# KiCad board BB3plus CM5 STM32H7 module.kicad_pcb (continued)
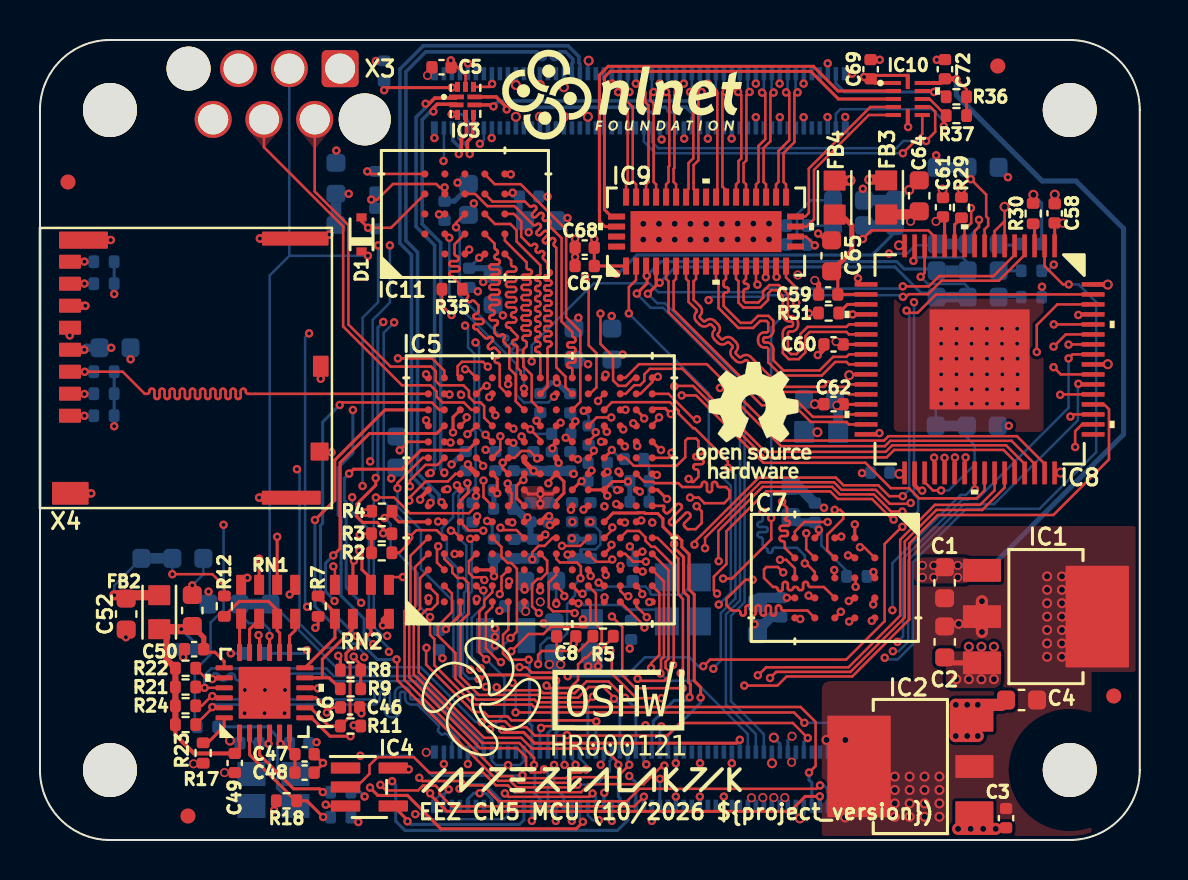
[diagram p0: board, top side]
## Routing (per net, layer and track width the routed paths; a pad name or vN(x,y) marks a point on that pad's centre or on a via; arc(x,y) is an arc through that point) (continued)
XSPI_M_P1_DQS1: length 17.6
  Top w0.127: IC7.B3 40.79,13.06 v1(40.79,12.66)
  Top w0.152: IC5.M11 28.07,19.91 v1(28.06,19.91)
  In2signal.Cu w0.127: v1(28.06,19.91) 28.17,19.81 28.17,19.3 28.51,18.96 29.49,18.96 29.61,18.84 29.75,18.84 29.97,18.63 31.07,18.63 31.16,18.53 32.64,18.53 33.7,17.47 34.15,17.47 35.83,15.78 35.83,15.78 37.39,14.22 37.39,13.73 38.14,12.98 39.25,12.98 arc(39.32,12.95) 39.35,12.88 39.35,12.83 arc(39.38,12.76) 39.46,12.73 39.51,12.73 arc(39.58,12.76) 39.61,12.83 39.61,12.88 arc(39.64,12.95) 39.71,12.98 39.76,12.98 arc(39.83,12.95) 39.86,12.88 39.86,12.83 arc(39.89,12.76) 39.96,12.73 40.01,12.73 arc(40.09,12.76) 40.12,12.83 40.12,12.88 arc(40.15,12.95) 40.22,12.98 40.45,12.98 40.77,12.66 v1(40.79,12.66)
XSPIM_P1_IO0: length 14.9
  Top w0.127: v1(38.25,13.83) 38.26,13.84 38.31,13.84 38.75,13.4 IC7.D3
  Top w0.152: v1(29.87,19.7) 29.82,19.75 IC5.P11
  In2signal.Cu w0.127: v1(36.14,16.41) 36.14,16.64 34.78,18 33.82,18 32.83,18.98 31.35,18.98 31.25,19.08 30.48,19.08 29.87,19.69 v1(29.87,19.7)
  Bottom w0.127: v1(38.25,13.83) 38.25,14.22 37.86,14.61 36.74,14.61 arc(36.67,14.58) 36.64,14.51 36.64,14.46 arc(36.61,14.39) 36.53,14.36 36.48,14.36 arc(36.41,14.39) 36.38,14.46 36.38,14.51 arc(36.35,14.58) 36.28,14.61 36.14,14.75 36.14,15.04 arc(36.11,15.11) 36.04,15.14 35.99,15.14 arc(35.92,15.17) 35.89,15.24 35.89,15.29 arc(35.92,15.37) 35.99,15.4 36.29,15.4 arc(36.37,15.43) 36.4,15.5 36.4,15.55 arc(36.37,15.62) 36.29,15.65 35.99,15.65 arc(35.92,15.68) 35.89,15.75 35.89,15.8 arc(35.92,15.87) 35.99,15.9 36.04,15.9 arc(36.11,15.93) 36.14,16.01 v1(36.14,16.41)
XSPIM_P1_IO1: length 16.2
  Top w0.127: v1(38.32,15.34) 38.32,14.53 IC7.D2
  Top w0.152: v1(29.17,20.53) 29.17,20.56 IC5.N12
  In2signal.Cu w0.127: v1(38.32,15.34) 38.36,15.38 38.36,16.76 37.88,17.24 37.71,17.24 37.38,17.57 arc(37.35,17.64) 37.38,17.71 37.42,17.75 arc(37.45,17.82) 37.42,17.89 37.38,17.93 arc(37.31,17.96) 37.24,17.93 37.2,17.89 arc(37.13,17.86) 37.06,17.89 37.02,17.93 arc(36.99,18) 37.02,18.07 37.06,18.11 arc(37.09,18.18) 37.06,18.25 37.02,18.29 arc(36.95,18.32) 36.88,18.29 36.84,18.25 arc(36.77,18.22) 36.7,18.25 36.66,18.29 arc(36.63,18.36) 36.66,18.43 36.7,18.47 arc(36.73,18.54) 36.7,18.61 36.66,18.65 arc(36.59,18.68) 36.52,18.65 36.48,18.61 arc(36.41,18.58) 36.34,18.61 36.3,18.65 arc(36.27,18.72) 36.3,18.79 36.34,18.83 arc(36.37,18.9) 36.34,18.97 36.3,19.01 arc(36.23,19.04) 36.16,19.01 36.12,18.97 arc(36.05,18.94) 35.98,18.97 35.94,19.01 arc(35.91,19.08) 35.94,19.15 35.98,19.19 arc(36.01,19.26) 35.98,19.33 35.94,19.37 arc(35.87,19.4) 35.8,19.37 35.76,19.33 arc(35.69,19.3) 35.62,19.33 35.58,19.37 arc(35.55,19.44) 35.58,19.51 35.62,19.55 arc(35.65,19.62) 35.62,19.69 35.58,19.72 arc(35.51,19.75) 35.44,19.72 35.4,19.69 arc(35.33,19.66) 35.26,19.69 35.05,19.9 34.88,19.9 arc(34.8,19.93) 34.77,20.01 34.77,20.06 arc(34.75,20.13) 34.67,20.16 34.62,20.16 arc(34.55,20.13) 34.52,20.06 34.52,20.01 arc(34.49,19.93) 34.42,19.9 34.27,20.05 32.3,20.05 32.11,20.24 30.2,20.24 30.07,20.37 29.33,20.37 v1(29.17,20.53)
XSPIM_P1_IO2: length 17.9
  Top w0.127: IC7.C4 39.2,12.65 38.52,12.65 arc(38.45,12.68) 38.42,12.75 38.42,12.8 arc(38.39,12.87) 38.31,12.9 38.26,12.9 arc(38.19,12.87) 38.16,12.8 38.16,12.57 arc(38.14,12.52) 38.08,12.5 37.98,12.5 arc(37.93,12.52) 37.91,12.57 arc(37.89,12.63) 37.83,12.65 37.73,12.65 arc(37.68,12.63) 37.65,12.57 arc(37.63,12.52) 37.58,12.5 37.48,12.5 arc(37.42,12.52) 37.4,12.57 37.4,12.8 arc(37.37,12.87) 37.3,12.9 37.25,12.9 arc(37.18,12.87) 37.15,12.8 37.15,12.55 arc(37.12,12.48) 37.04,12.45 36.99,12.45 arc(36.92,12.48) 36.89,12.55 arc(36.86,12.62) 36.79,12.65 36.66,12.65 36.21,13.1 36.21,13.53 36.33,13.65 36.9,13.65 v1(37.17,13.38)
  Top w0.152: v1(28.93,18.42) 28.97,18.42 29.02,18.38 IC5.N9
  In2signal.Cu w0.127: v1(28.93,18.42) 28.95,18.4 29.79,18.4 30.54,17.66 31.92,17.66 32.05,17.53 32.91,17.53 33.48,16.96 33.94,16.96 36.46,14.44 36.46,13.92 37.08,13.3 37.09,13.3 v1(37.17,13.38)
XSPIM_P1_IO3: length 17.4
  Top w0.127: IC5.P9 30.22,17.91 30.66,17.91 30.72,17.84 31.93,17.84 32.12,17.65 33,17.65 arc(33.07,17.68) 33.1,17.75 33.1,17.8 arc(33.13,17.87) 33.2,17.9 33.25,17.9 arc(33.33,17.87) 33.36,17.8 33.36,17.5 arc(33.39,17.43) 33.46,17.4 33.51,17.4 arc(33.58,17.43) 33.61,17.5 33.61,17.8 arc(33.64,17.87) 33.71,17.9 33.76,17.9 arc(33.83,17.87) 33.86,17.8 33.86,17.75 arc(33.89,17.68) 33.97,17.65 34.31,17.65 34.48,17.48 34.48,17.11 34.21,16.84 33.22,16.84 33.22,16.85 32.95,17.12 v1(32.51,17.12)
  Top w0.152: v1(38.44,12.22) 38.56,12.11 IC7.D4
  In2signal.Cu w0.127: v1(32.51,17.12) 32.96,17.12 33.38,16.71 33.83,16.71 36.2,14.33 36.2,13.75 37.07,12.88 37.53,12.88 38.22,12.18 38.36,12.18
  In2signal.Cu w0.152: 38.36,12.18 38.4,12.18 v1(38.44,12.22)
XSPIM_P1_IO4: length 17.3
  Top w0.127: IC7.D5 38.38,11.47 37.16,11.47 arc(37.09,11.5) 37.06,11.58 37.06,11.63 arc(37.03,11.7) 36.96,11.73 36.91,11.73 arc(36.84,11.7) 36.81,11.63 36.81,11.32 arc(36.78,11.25) 36.71,11.22 36.66,11.22 arc(36.58,11.25) 36.55,11.32 36.55,11.63 arc(36.52,11.7) 36.45,11.73 36.4,11.73 arc(36.33,11.7) 36.3,11.63 36.3,11.32 arc(36.27,11.25) 36.2,11.22 36.15,11.22 arc(36.08,11.25) 36.05,11.32 36.05,11.63 arc(36.02,11.7) 35.95,11.73 35.89,11.73 arc(35.82,11.7) 35.79,11.63 35.79,11.32 arc(35.76,11.25) 35.69,11.22 35.64,11.22 arc(35.57,11.25) 35.54,11.32 35.54,11.63 arc(35.51,11.7) 35.44,11.73 35.39,11.73 arc(35.31,11.7) 35.28,11.63 35.28,11.32 arc(35.25,11.25) 35.18,11.22 35.13,11.22 arc(35.06,11.25) 35.03,11.32 35.03,11.37 arc(35,11.44) 34.93,11.47 34.6,11.47 34.33,11.74 34.33,12.06 35.28,13.01 v1(35.64,13.01)
  Top w0.152: IC5.R8 30.89,17.51 31.35,17.05 v1(31.36,17.05)
  In2signal.Cu w0.127: v1(31.36,17.05) 31.36,17.04 32.46,15.94 33.48,15.94 35.44,13.99 35.44,13.21 v1(35.64,13.01)
XSPIM_P1_IO5: length 17
  Top w0.127: IC5.N10 29.3,19.11 29.69,18.71 31.84,18.71 32.27,19.14 32.27,19.96 32.39,20.08 32.8,20.08 32.93,19.95 32.93,19.65 arc(32.96,19.58) 33.03,19.55 33.08,19.55 arc(33.15,19.52) 33.18,19.45 33.18,19.4 arc(33.15,19.33) 33.08,19.3 32.78,19.3 arc(32.71,19.27) 32.68,19.2 32.68,19.15 arc(32.71,19.07) 32.78,19.04 33.08,19.04 arc(33.15,19.01) 33.18,18.94 33.18,18.89 arc(33.15,18.82) 33.08,18.79 32.78,18.79 arc(32.71,18.76) 32.68,18.69 32.68,18.64 arc(32.71,18.57) 32.78,18.54 32.83,18.54 arc(32.9,18.51) 32.93,18.43 32.93,18.16 32.67,17.9 32.59,17.9 v1(32.44,18.05) ; v1(37.01,14.01) 37.32,14.01 37.75,13.58 IC7.E3
  In2signal.Cu w0.127: v1(37.01,14.01) 37.01,14.25 34.04,17.22 33.63,17.22 32.79,18.05 v1(32.44,18.05)
XSPIM_P1_IO6: length 17.3
  Top w0.127: v1(37.11,16.92) 37.11,16.86 37.36,16.61 37.36,16.18 37.25,16.06 arc(37.28,15.99) 37.35,15.96 37.4,15.96 arc(37.47,15.93) 37.5,15.86 37.5,15.81 arc(37.47,15.74) 37.4,15.71 37.1,15.71 arc(37.03,15.68) 37,15.61 37,15.56 arc(37.03,15.49) 37.1,15.46 37.33,15.46 arc(37.38,15.43) 37.4,15.38 37.4,15.28 arc(37.38,15.22) 37.33,15.2 37.1,15.2 arc(37.03,15.17) 37,15.1 37,15.05 arc(37.03,14.98) 37.1,14.95 37.15,14.95 arc(37.22,14.92) 37.25,14.85 37.25,14.61 IC7.E2
  Top w0.152: v1(31.06,19.5) 31.03,19.5 IC5.R11
  In2signal.Cu w0.127: v1(37.11,16.92) 37.1,16.93 37.1,16.98 37.04,17.05 36.83,17.05 36.8,17.07 arc(36.77,17.14) 36.8,17.21 36.84,17.25 arc(36.87,17.32) 36.84,17.39 36.8,17.43 arc(36.73,17.46) 36.66,17.43 36.44,17.21 arc(36.37,17.18) 36.3,17.21 36.26,17.25 arc(36.23,17.32) 36.26,17.39 36.48,17.61 arc(36.51,17.68) 36.48,17.75 36.44,17.79 arc(36.37,17.82) 36.3,17.79 36.08,17.57 arc(36.01,17.54) 35.94,17.57 35.9,17.61 arc(35.87,17.68) 35.9,17.75 36.12,17.97 arc(36.15,18.04) 36.12,18.11 36.08,18.15 arc(36.01,18.18) 35.94,18.15 35.72,17.93 arc(35.65,17.9) 35.58,17.93 35.54,17.97 arc(35.51,18.04) 35.54,18.11 35.76,18.33 arc(35.79,18.4) 35.76,18.47 35.72,18.51 arc(35.65,18.54) 35.58,18.51 35.36,18.29 arc(35.29,18.26) 35.22,18.29 35.18,18.33 arc(35.15,18.4) 35.18,18.47 35.4,18.69 arc(35.43,18.76) 35.4,18.83 35.36,18.87 arc(35.29,18.9) 35.22,18.87 35,18.65 arc(34.93,18.62) 34.86,18.65 34.82,18.69 arc(34.79,18.76) 34.82,18.83 34.86,18.87 arc(34.89,18.94) 34.86,19.01 34.66,19.21 34.36,19.21 arc(34.28,19.24) 34.25,19.31 arc(34.22,19.38) 34.15,19.41 34.1,19.41 arc(34.03,19.38) 34,19.31 34,19.06 arc(33.97,18.99) 33.9,18.96 33.85,18.96 arc(33.78,18.99) 33.75,19.06 33.75,19.11 arc(33.72,19.18) 33.64,19.21 33.33,19.21 33,19.54 31.98,19.54 31.78,19.73 31.29,19.73 v1(31.06,19.5)
XSPIM_P1_IO7: length 18.7
  Top w0.127: IC7.E1 37.75,15.42 38.23,15.9 v1(39.39,15.9)
  Top w0.152: v1(29.67,20.84) 29.8,20.71 IC5.P12
  In2signal.Cu w0.127: v1(29.67,20.84) 29.85,20.65 30.12,20.65 30.27,20.5 32.22,20.5 32.41,20.31 33.88,20.31 34.09,20.52 35.2,20.52 35.34,20.38 arc(35.37,20.31) 35.34,20.24 arc(35.31,20.16) 35.34,20.09 35.38,20.06 arc(35.45,20.03) 35.52,20.06 35.7,20.24 arc(35.77,20.27) 35.84,20.24 35.88,20.2 arc(35.91,20.13) 35.88,20.06 35.84,20.02 arc(35.81,19.95) 35.84,19.88 35.88,19.84 arc(35.95,19.81) 36.02,19.84 36.06,19.88 arc(36.13,19.91) 36.2,19.88 36.24,19.84 arc(36.27,19.77) 36.24,19.7 36.2,19.66 arc(36.17,19.59) 36.2,19.52 36.24,19.48 arc(36.31,19.45) 36.38,19.48 36.42,19.52 arc(36.49,19.55) 36.56,19.52 36.6,19.48 arc(36.63,19.41) 36.6,19.34 36.56,19.3 arc(36.53,19.23) 36.56,19.16 36.6,19.12 arc(36.67,19.09) 36.74,19.12 36.78,19.16 arc(36.85,19.19) 36.92,19.16 36.96,19.12 arc(36.99,19.05) 36.96,18.98 36.92,18.94 arc(36.89,18.87) 36.92,18.8 36.96,18.76 arc(37.03,18.73) 37.1,18.76 37.14,18.8 arc(37.21,18.83) 37.28,18.8 37.32,18.76 arc(37.35,18.69) 37.32,18.62 37.28,18.58 arc(37.25,18.51) 37.28,18.44 37.32,18.4 arc(37.39,18.37) 37.46,18.4 37.5,18.44 arc(37.57,18.47) 37.64,18.44 37.67,18.4 arc(37.7,18.33) 37.67,18.26 37.64,18.22 arc(37.61,18.15) 37.64,18.08 37.67,18.05 arc(37.75,18.02) 37.82,18.05 37.85,18.08 arc(37.93,18.11) 38,18.08 38.03,18.05 arc(38.06,17.97) 38.03,17.9 37.82,17.69 arc(37.79,17.61) 37.82,17.54 37.85,17.51 arc(37.93,17.48) 38,17.51 38.21,17.72 arc(38.29,17.75) 38.36,17.72 38.39,17.69 arc(38.42,17.61) 38.39,17.54 38.23,17.38 arc(38.21,17.33) 38.23,17.27 38.3,17.2 arc(38.36,17.18) 38.41,17.2 38.57,17.36 arc(38.64,17.39) 38.72,17.36 38.75,17.33 arc(38.78,17.25) 38.75,17.18 38.72,17.15 arc(38.69,17.08) 38.72,17 38.83,16.89 38.83,16.46 v1(39.39,15.9)
XSPIM_P1_IO8: length 17
  Top w0.127: IC7.C2 39.37,14.48 39.37,15.26 40.17,16.06 40.17,16.36 40.02,16.51 v1(39.74,16.51)
  Top w0.152: IC5.P13 30.21,21.11 v1(30.21,21.08)
  In2signal.Cu w0.127: v1(39.74,16.51) 39.74,16.64 39.37,17.02 39.34,17.02 39.05,17.3 39.05,17.39 38.94,17.5 arc(38.91,17.57) 38.94,17.64 arc(38.97,17.72) 38.94,17.79 38.9,17.82 arc(38.83,17.85) 38.76,17.82 arc(38.69,17.79) 38.62,17.82 38.58,17.86 arc(38.55,17.93) 38.58,18 38.58,18 arc(38.61,18.08) 38.58,18.15 38.55,18.18 arc(38.47,18.21) 38.4,18.18 38.4,18.18 arc(38.33,18.15) 38.26,18.18 38.22,18.22 arc(38.19,18.29) 38.22,18.36 arc(38.25,18.43) 38.22,18.51 38.19,18.54 arc(38.11,18.57) 38.04,18.54 arc(37.97,18.51) 37.9,18.54 37.86,18.58 arc(37.83,18.65) 37.86,18.72 arc(37.89,18.79) 37.86,18.87 37.83,18.9 arc(37.76,18.93) 37.68,18.9 37.68,18.9 arc(37.61,18.87) 37.54,18.9 37.5,18.94 arc(37.47,19.01) 37.5,19.08 37.5,19.08 arc(37.53,19.15) 37.5,19.22 37.47,19.26 arc(37.4,19.29) 37.32,19.26 arc(37.25,19.23) 37.18,19.26 35.45,20.99 34.15,20.99 33.72,20.56 32.51,20.56 32.32,20.75 30.54,20.75 v1(30.21,21.08)
  In2signal.Cu w0.152: v1(30.21,21.08) 30.21,21.2 30.23,21.21
XSPIM_P1_IO9: length 17.1
  Top w0.127: IC5.R14 31.43,22.31 32.71,21.03 v1(32.86,21.03)
  Top w0.152: IC7.B1 v1(40.75,15.78)
  In2signal.Cu w0.127: v1(40.75,15.78) 40.75,16.39 37.5,19.64 arc(37.43,19.67) 37.36,19.64 37.36,19.64 arc(37.28,19.61) 37.21,19.64 37.18,19.67 arc(37.15,19.75) 37.18,19.82 37.36,20 arc(37.39,20.07) 37.36,20.14 37.32,20.18 arc(37.25,20.21) 37.18,20.18 37,20 arc(36.93,19.97) 36.85,20 36.82,20.03 arc(36.79,20.11) 36.82,20.18 37,20.36 arc(37.03,20.43) 37,20.5 36.96,20.54 arc(36.89,20.57) 36.82,20.54 36.64,20.36 arc(36.57,20.33) 36.49,20.36 36.46,20.39 arc(36.43,20.47) 36.46,20.54 36.64,20.72 arc(36.67,20.79) 36.64,20.86 36.6,20.9 arc(36.53,20.93) 36.46,20.9 36.28,20.72 arc(36.21,20.69) 36.13,20.72 36.1,20.75 arc(36.07,20.82) 36.1,20.9 36.28,21.08 arc(36.31,21.15) 36.28,21.22 36.24,21.26 arc(36.17,21.29) 36.1,21.26 36.06,21.22 arc(35.99,21.19) 35.92,21.22 35.78,21.36 33.78,21.36 33.63,21.51 33.33,21.51 v1(32.86,21.03)
XSPIM_P1_IO10: length 17.6
  Top w0.127: IC7.A2 41.21,14.64 v1(41.01,14.64)
  Top w0.152: v1(28.35,20.41) 28.26,20.41 28.22,20.46 IC5.M12
  In2signal.Cu w0.127: v1(28.35,20.41) 28.65,20.11 30,20.11 30.12,19.99 32.01,19.99 32.2,19.8 33.46,19.8 33.61,19.65 34.94,19.65 37.57,17.02 37.79,17.02 38.11,16.69 38.11,16.25 37.86,16.01 37.86,15.24 38.4,14.7 40.95,14.7 v1(41.01,14.64)
XSPIM_P1_IO11: length 17.4
  Top w0.152: v1(41.67,11.78) 41.67,12.02 IC7.A4 ; v1(30.07,15.97) 30,15.91 IC5.P6
  In2signal.Cu w0.127: 35.71,11.75 34.85,12.61 34.85,13.88 33.3,15.44 32.26,15.44 32.06,15.64 31.37,15.64 31.22,15.49 30.46,15.49 30.07,15.88 v1(30.07,15.97) ; 35.71,11.74 37.27,10.19 38.77,10.19 39.01,10.43 arc(39.08,10.4) 39.11,10.33 39.11,10.28 arc(39.14,10.21) 39.21,10.18 39.26,10.18 arc(39.34,10.21) 39.37,10.28 39.37,10.33 arc(39.4,10.4) 39.47,10.43 39.52,10.43 arc(39.59,10.4) 39.62,10.33 39.62,10.28 arc(39.65,10.21) 39.72,10.18 39.77,10.18 arc(39.84,10.21) 39.87,10.28 39.87,10.33 arc(39.9,10.4) 39.98,10.43 40.03,10.43 arc(40.1,10.4) 40.13,10.33 40.13,10.28 arc(40.16,10.21) 40.23,10.18 40.28,10.18 arc(40.35,10.21) 40.38,10.28 40.38,10.33 arc(40.41,10.4) 40.48,10.43 40.64,10.43 41.11,10.9 41.11,11.08 41.67,11.63 v1(41.67,11.78)
XSPIM_P1_IO12: length 18
  Top w0.152: v1(41.6,10.96) 41.75,11.11 IC7.A5 ; IC5.N6 29.15,15.91 29.18,15.88 v1(29.25,15.88)
  In2signal.Cu w0.127: v1(29.25,15.88) 29.25,15.81 29.55,15.81 29.75,15.6 30.02,15.6 30.37,15.25 31.3,15.25 31.46,15.41 31.96,15.41 32.19,15.18 33.23,15.18 34.62,13.79 34.62,12.44 36.01,11.06 36.01,11.06 36.38,10.69 arc(36.41,10.62) 36.38,10.54 36.34,10.51 arc(36.31,10.44) 36.34,10.36 36.38,10.33 arc(36.45,10.3) 36.52,10.33 36.56,10.36 arc(36.63,10.39) 36.7,10.36 36.74,10.33 arc(36.77,10.26) 36.74,10.18 36.7,10.15 arc(36.67,10.08) 36.7,10 36.74,9.97 arc(36.81,9.94) 36.88,9.97 36.92,10 arc(36.99,10.03) 37.06,10 37.16,9.9 40.54,9.9 40.76,10.12 arc(40.83,10.15) 40.9,10.12 40.94,10.08 arc(41.01,10.05) 41.08,10.08 41.12,10.12 arc(41.15,10.19) 41.12,10.26 41.08,10.3 arc(41.05,10.37) 41.08,10.44 41.12,10.48 arc(41.19,10.51) 41.26,10.48 41.3,10.44 arc(41.37,10.41) 41.44,10.44 41.48,10.48 arc(41.51,10.55) 41.48,10.62 41.44,10.66 arc(41.41,10.73) 41.44,10.8 v1(41.6,10.96)
XSPIM_P1_IO13: length 17.7
  Top w0.127: IC5.R7 31.2,16.71 arc(31.23,16.64) 31.2,16.58 arc(31.18,16.51) 31.2,16.45 31.29,16.36 arc(31.36,16.33) 31.42,16.36 31.85,16.78 arc(31.94,16.82) 32.02,16.78 32.07,16.74 arc(32.1,16.65) 32.07,16.56 31.49,15.98 arc(31.45,15.9) 31.49,15.81 31.53,15.76 arc(31.62,15.73) 31.71,15.76 32.29,16.35 arc(32.38,16.38) 32.46,16.35 32.51,16.3 arc(32.54,16.21) 32.51,16.13 32.23,15.85 arc(32.2,15.76) 32.23,15.68 32.37,15.54 32.79,15.54 33.09,15.84 33.09,16.44 v1(32.84,16.69)
  Top w0.152: v1(40.45,11.95) 40.59,11.95 IC7.B4
  In2signal.Cu w0.127: v1(32.84,16.69) 33.08,16.45 33.7,16.45 35.95,14.2 35.95,13.63 36.99,12.6 37.45,12.6 38.23,11.81 40.31,11.81 v1(40.45,11.95)
XSPIM_P1_IO14: length 17.7
  Top w0.152: v1(28.82,16.8) 28.93,16.8 IC5.N7
  In2signal.Cu w0.127: v1(40.47,10.92) 40.37,10.83 39.02,10.83 38.63,10.44 38.39,10.44 arc(38.32,10.47) 38.29,10.54 arc(38.26,10.62) 38.19,10.65 38.14,10.65 arc(38.07,10.62) 38.04,10.54 arc(38.01,10.47) 37.94,10.44 37.89,10.44 arc(37.81,10.47) 37.78,10.54 37.78,10.59 arc(37.75,10.67) 37.68,10.7 37.63,10.7 arc(37.56,10.67) 37.53,10.59 37.53,10.54 arc(37.5,10.47) 37.43,10.44 37.35,10.52 37.34,10.52 37.11,10.75 arc(37.08,10.82) 37.11,10.89 37.15,10.93 arc(37.18,11) 37.15,11.07 37.11,11.11 arc(37.04,11.14) 36.97,11.11 36.93,11.07 arc(36.86,11.04) 36.79,11.07 36.75,11.11 arc(36.72,11.18) 36.75,11.25 36.79,11.29 arc(36.82,11.36) 36.79,11.43 36.75,11.47 arc(36.68,11.5) 36.61,11.47 36.57,11.43 arc(36.5,11.4) 36.43,11.43 36.4,11.47 arc(36.37,11.54) 36.4,11.61 36.43,11.65 arc(36.46,11.72) 36.43,11.79 36.4,11.83 arc(36.32,11.86) 36.25,11.83 36.22,11.79 arc(36.14,11.76) 36.07,11.79 36.04,11.83 arc(36.01,11.9) 36.04,11.97 36.07,12.01 arc(36.1,12.08) 36.07,12.15 36.04,12.19 arc(35.96,12.22) 35.89,12.19 35.86,12.15 arc(35.78,12.12) 35.71,12.15 35.68,12.19 arc(35.65,12.26) 35.68,12.33 35.71,12.37 arc(35.74,12.44) 35.71,12.51 35.68,12.55 arc(35.61,12.58) 35.53,12.55 35.5,12.51 arc(35.43,12.48) 35.35,12.51 35.19,12.68 35.19,13.28 35.18,13.28 35.18,13.88 33.4,15.66 33.39,15.66 33.37,15.69 32.34,15.69 31.68,16.35 29.53,16.35 29.08,16.8 v1(28.82,16.8)
XSPIM_P1_IO15: length 15.7
  Top w0.152: IC5.P8 29.84,17.49 29.98,17.49 30,17.47 v1(30,17.42) ; IC7.C5 40.05,11.41 v1(40.05,11.41)
  In2signal.Cu w0.127: v1(40.05,11.41) 39.99,11.35 39.51,11.35 arc(39.44,11.38) 39.41,11.45 arc(39.38,11.52) 39.31,11.55 39.26,11.55 arc(39.18,11.52) 39.15,11.45 39.15,11.2 arc(39.12,11.12) 39.05,11.09 39,11.09 arc(38.93,11.12) 38.9,11.2 38.9,11.45 arc(38.87,11.52) 38.8,11.55 38.75,11.55 arc(38.68,11.52) 38.65,11.45 38.65,11.25 arc(38.62,11.17) 38.54,11.14 38.49,11.14 arc(38.42,11.17) 38.39,11.25 arc(38.36,11.32) 38.29,11.35 38.05,11.59 37.28,11.59 37.16,11.71 arc(37.09,11.74) 37.02,11.71 37.01,11.71 arc(36.94,11.68) 36.87,11.71 36.84,11.75 arc(36.81,11.82) 36.84,11.89 arc(36.87,11.96) 36.84,12.03 36.84,12.35 36.54,12.65 arc(36.47,12.68) 36.4,12.65 36.36,12.61 arc(36.29,12.58) 36.22,12.61 36.18,12.65 arc(36.15,12.72) 36.18,12.79 36.22,12.83 arc(36.25,12.9) 36.22,12.97 35.69,13.49 35.69,14.1 33.59,16.2 32.8,16.2 31.57,17.43 30.05,17.43 30.04,17.42 v1(30,17.42)
XSPIM_P2_CLK: length 12
  Top w0.127: IC5.J14 25.82,22.14 25.82,22.14 25.74,22.14 v1(25.71,22.17) ; v1(20.47,30.11) 20.28,30.3 IC11.B2
  Bottom w0.127: v1(20.47,30.11) 20.47,27.15 23.83,23.79 23.83,22.25 24.2,21.88 25.42,21.88 v1(25.71,22.17)
XSPIM_P2_DQS0: length 12.3
  Top w0.127: IC11.C3 20.81,30.86 v1(20.81,30.63) ; v1(24.21,22.57) 24.22,22.56 IC5.G14
  Bottom w0.127: v1(20.81,30.63) 20.99,30.45 20.99,27.22 23.04,25.17 arc(23.11,25.14) 23.18,25.17 23.22,25.21 arc(23.29,25.24) 23.36,25.21 23.4,25.17 arc(23.43,25.1) 23.4,25.03 23.24,24.87 arc(23.21,24.81) 23.24,24.76 23.31,24.69 arc(23.36,24.66) 23.41,24.69 23.58,24.85 arc(23.65,24.88) 23.72,24.85 23.76,24.81 arc(23.79,24.74) 23.76,24.67 23.59,24.51 arc(23.57,24.45) 23.59,24.4 23.67,24.33 arc(23.72,24.3) 23.77,24.33 23.94,24.49 arc(24.01,24.52) 24.08,24.49 24.12,24.45 arc(24.15,24.38) 24.12,24.31 24.08,24.27 arc(24.05,24.2) 24.08,24.13 24.21,24 v1(24.21,22.57)
XSPIM_P2_IO0: length 12.5
  Top w0.127: IC11.D3 22.75,30.8 23.53,30.8 23.84,30.49 23.84,29.92 25.02,28.74 25.02,28.31 arc(24.99,28.24) 24.92,28.21 24.87,28.21 arc(24.8,28.18) 24.77,28.11 24.77,28.06 arc(24.8,27.99) 24.87,27.96 24.92,27.96 arc(24.99,27.93) 25.02,27.86 25.02,27.81 arc(24.99,27.73) 24.92,27.7 24.87,27.7 arc(24.8,27.67) 24.77,27.6 24.77,27.55 arc(24.8,27.48) 24.87,27.45 24.92,27.45 arc(24.99,27.42) 25.02,27.35 25.02,27.3 arc(24.99,27.23) 24.92,27.2 24.87,27.2 arc(24.8,27.17) 24.77,27.09 24.77,27.04 arc(24.8,26.97) 24.87,26.94 24.92,26.94 arc(24.99,26.91) 25.02,26.84 25.02,26.79 arc(24.99,26.72) 24.92,26.69 24.87,26.69 arc(24.8,26.66) 24.77,26.59 24.77,26.54 arc(24.8,26.46) 24.87,26.43 24.92,26.43 arc(24.99,26.4) 25.02,26.33 25.02,26.28 arc(24.99,26.21) 24.92,26.18 24.87,26.18 arc(24.8,26.15) 24.77,26.08 24.77,26.03 arc(24.8,25.96) 24.87,25.93 24.92,25.93 arc(24.99,25.9) 25.02,25.82 25.02,25.77 arc(24.99,25.7) 24.92,25.67 24.87,25.67 arc(24.8,25.64) 24.77,25.57 24.77,25.52 arc(24.8,25.45) 24.87,25.42 24.92,25.42 arc(24.99,25.39) 25.02,25.32 25.02,25.27 arc(24.99,25.19) 24.92,25.16 24.87,25.16 arc(24.8,25.13) 24.77,25.06 24.77,25.01 arc(24.8,24.94) 24.87,24.91 24.92,24.91 arc(24.99,24.88) 25.02,24.81 25.02,24.76 arc(24.99,24.69) 24.92,24.66 24.87,24.66 arc(24.8,24.63) 24.77,24.55 24.77,24.5 arc(24.8,24.43) 24.87,24.4 24.92,24.4 arc(24.99,24.37) 25.02,24.3 IC5.H15
XSPIM_P2_IO1: length 14.7
  Top w0.127: IC5.G13 23.79,21.94 23.79,23.26 23.47,23.58 23.47,24.62 23.19,24.9 arc(23.16,24.97) 23.19,25.04 23.23,25.08 arc(23.26,25.15) 23.23,25.22 23.19,25.26 arc(23.12,25.29) 23.05,25.26 23.01,25.22 arc(22.94,25.19) 22.87,25.22 22.74,25.35 22.74,25.66 arc(22.76,25.71) 22.81,25.74 arc(22.87,25.76) 22.89,25.81 22.89,25.91 arc(22.87,25.97) 22.81,25.99 22.58,25.99 arc(22.51,26.02) 22.48,26.09 22.48,26.14 arc(22.51,26.21) 22.58,26.24 22.63,26.24 arc(22.71,26.27) 22.74,26.35 22.74,26.4 arc(22.71,26.47) 22.63,26.5 22.58,26.5 arc(22.51,26.53) 22.48,26.6 22.48,26.65 arc(22.51,26.72) 22.58,26.75 22.89,26.75 arc(22.96,26.78) 22.99,26.85 22.99,26.9 arc(22.96,26.98) 22.89,27.01 22.58,27.01 arc(22.51,27.04) 22.48,27.11 22.48,27.16 arc(22.51,27.23) 22.58,27.26 22.89,27.26 arc(22.96,27.29) 22.99,27.36 22.99,27.41 arc(22.96,27.48) 22.89,27.51 22.58,27.51 arc(22.51,27.54) 22.48,27.62 22.48,27.67 arc(22.51,27.74) 22.58,27.77 22.89,27.77 arc(22.96,27.8) 22.99,27.87 22.99,27.92 arc(22.96,27.99) 22.89,28.02 22.63,28.02 arc(22.56,28.05) 22.53,28.12 22.53,28.17 arc(22.56,28.25) 22.63,28.28 22.89,28.28 arc(22.96,28.31) 22.99,28.38 22.99,28.43 arc(22.96,28.5) 22.89,28.53 22.58,28.53 arc(22.51,28.56) 22.48,28.63 22.48,28.68 arc(22.51,28.75) 22.58,28.78 22.89,28.78 arc(22.96,28.81) 22.99,28.89 22.99,28.94 arc(22.96,29.01) 22.89,29.04 22.84,29.04 arc(22.76,29.07) 22.74,29.14 22.74,29.19 arc(22.76,29.24) 22.81,29.27 arc(22.87,29.29) 22.89,29.34 22.89,29.44 arc(22.87,29.5) 22.81,29.52 arc(22.76,29.54) 22.74,29.6 22.74,29.82 IC11.D2
XSPIM_P2_IO2: length 15.2
  Top w0.127: IC5.K14 26.28,22.65 26.28,23.17 25.82,23.63 25.82,29.61 25.71,29.72 arc(25.68,29.79) 25.71,29.86 25.75,29.89 arc(25.78,29.97) 25.75,30.04 25.71,30.07 arc(25.64,30.1) 25.57,30.07 25.35,29.86 arc(25.28,29.83) 25.21,29.86 25.17,29.89 arc(25.14,29.97) 25.17,30.04 25.39,30.25 arc(25.42,30.33) 25.39,30.4 25.35,30.43 arc(25.28,30.46) 25.21,30.43 25.03,30.25 arc(24.96,30.22) 24.88,30.25 24.85,30.29 arc(24.82,30.36) 24.85,30.43 25.03,30.61 arc(25.06,30.69) 25.03,30.76 24.99,30.79 arc(24.92,30.82) 24.85,30.79 24.81,30.76 arc(24.74,30.73) 24.67,30.76 23.73,31.69 22.37,31.69 21.76,32.3 IC11.C4